# KiCad board Scopefun_v2.kicad_pcb (continued)
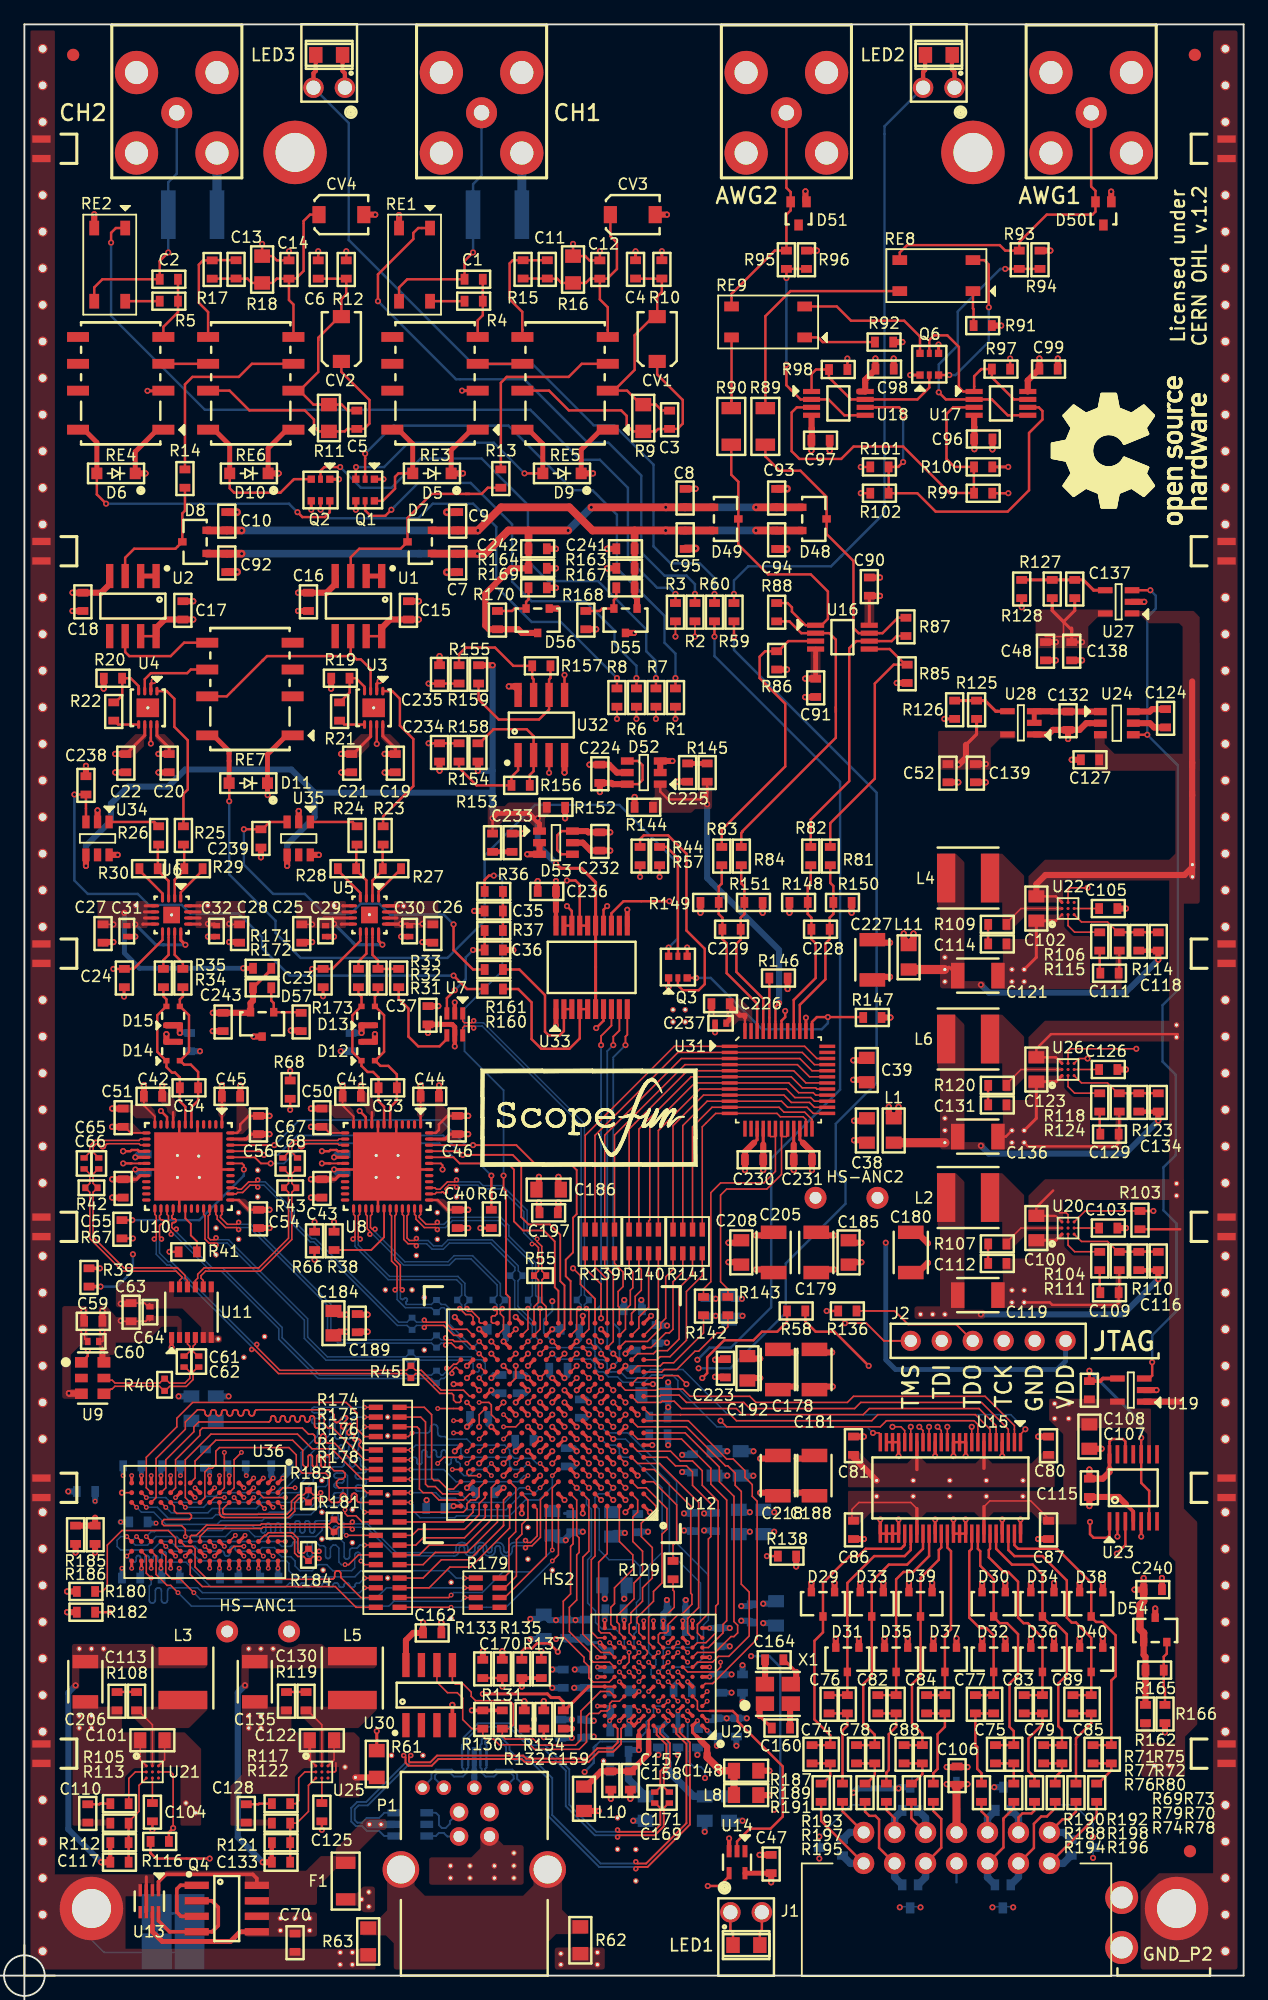
[diagram p0: board, top side]
## Routing (per net, layer and track width the routed paths; a pad name or vN(x,y) marks a point on that pad's centre or on a via; arc(x,y) is an arc through that point) (continued)
Net-(R89-Pad1): length 19.5
  Top w0.2: 60.77,128.49 60.77,136.07 62.83,138.13 RE8.4
Net-(R90-Pad1): length 5.9
  Top w0.2: 57.98,128.49 57.98,129.13 58,129.16 RE9.4
Net-(R91-Pad2): length 2.9
  Top w0.2: RE8.1 77.8,136.7 77.85,136.65 R91.2
Net-(R92-Pad1): length 5.9
  Top w0.2: RE9.1 65.1,134.33 65.48,133.95 R92.1
Net-(R156-Pad1): length 8.1
  Top w0.2: U32.1 40.49,98.84 39.95,98.3 R156.1 37.08,97.6 35.65,99.03 R158.2
Net-(R157-Pad1): length 10.2
  Top w0.2: U32.7 41.77,106.29 41.65,106.4 R157.1 40.1,107.4 38.6,108.9 36.2,108.9 35.65,108.35 R159.2
Net-(RE3-Pad3): length 3.7
  Top w0.2: RE3.3 RE5.6
Net-(RE4-Pad3): length 3.7
  Top w0.2: RE4.3 RE6.6
Net-(U1-+IN): length 17.8
  Top w0.127: 39.08,121.99 38.97,121.99
  Top w0.2: 36.2,121.5 33.4,121.5 31.42,119.52 D7.3 30.86,117 27.47,117 26.77,116.3 26.77,114.77 ; 36.2,121.5 37.5,121.5 38.01,122.01 R13.2 ; 36.2,121.5 36.5,121.5
Net-(U1--IN): length 1.3
  Top w0.4: 28.03,114.77 29.3,114.77
Net-(U2-+IN): length 11.3
  Top w0.2: R14.2 13.17,120.12 12.95,119.9 D8.3 12.38,117 9,117 8.27,116.27 8.27,114.77
Net-(U2--IN): length 1.3
  Top w0.4: 9.54,114.77 10.8,114.77
Net-(U3-INPN): length 4.2
  Top w0.127: 25.85,104.42 25.88,104.42
  Top w0.2: U3.4 27.9,105.69 27.2,106.39 26.68,106.39 26.68,105.22 25.88,104.42
Net-(U3-PRAO): length 2.2
  Top w0.127: 25.85,102.89 25.91,102.89 26.22,102.59
  Top w0.2: 26.22,102.59 U3.5
Net-(U3-VOUT): length 13.7
  Top w0.127: 29.42,94.26 29.51,94.26
  Top w0.2: 29.45,94.25 R23.2 29.42,95.06 31.9,97.54 31.9,101.4 30.8,102.5 30.8,104.7 30.17,105.33 U3.1
Net-(U4-INPN): length 4.4
  Top w0.127: 7.33,104.42 7.48,104.42
  Top w0.2: 7.48,104.42 8.03,104.97 8.03,106.39 8.72,106.39 9.37,105.73 U4.4
Net-(U4-INPP): length 6.4
  Top w0.2: U4.3 9.87,106.3 10.37,106.8 13.35,106.8 13.65,107.1 RE7.6
Net-(U4-PRAO): length 2.2
  Top w0.127: 7.33,102.89 7.39,102.89
  Top w0.2: U4.5 7.69,102.59 7.39,102.89
Net-(U4-VOUT): length 12.9
  Top w0.2: 13.15,94.25 R25.2 13.04,96.9 13.4,97.26 13.4,101.3 12.3,102.4 12.3,104.7 11.67,105.33 U4.1
Net-(U5-+FB): length 3.2
  Top w0.127: 25.7,90.64 25.7,90.77
  Top w0.2: U5.4 27.55,88.78 25.7,90.64
Net-(U5-+IN): length 4.7
  Top w0.127: 29.38,90.77 29.38,90.64 ; 29.38,92.69 29.42,92.73
  Top w0.2: 29.38,90.64 28.55,89.81 U5.2 ; 29.38,90.77 29.38,92.69
Net-(U5-+OUT): length 3.3
  Top w0.2: R33.2 27.4,83.15 28.05,83.8 U5.10
Net-(U5--FB): length 3.2
  Top w0.2: U5.1 29.05,88.91 30.91,90.77
Net-(U5--IN): length 4.8
  Top w0.127: 27.22,92.67 27.29,92.73 ; 27.22,90.64 27.22,90.77
  Top w0.2: U5.3 28.05,89.81 27.22,90.64 ; 27.22,90.77 27.22,92.67
Net-(U5--OUT): length 4.9
  Top w0.2: R31.2 R32.2 29,83.25 28.55,83.7 U5.11
Net-(U6-+FB): length 3.2
  Top w0.127: 9.42,90.64 9.42,90.77
  Top w0.2: 9.42,90.64 11.33,88.73 U6.4
Net-(U6-+IN): length 4.7
  Top w0.127: 13.11,92.67 13.04,92.73 ; 13.11,90.64 13.11,90.77
  Top w0.2: U6.2 12.33,89.86 13.11,90.64 ; 13.11,90.77 13.11,92.67
Net-(U6-+OUT): length 3.2
  Top w0.2: R35.2 11.4,83.27 11.83,83.7 U6.10
Net-(U6--FB): length 3.2
  Top w0.127: 14.63,90.77 14.63,90.64
  Top w0.2: 14.63,90.64 12.83,88.84 U6.1
Net-(U6--IN): length 4.8
  Top w0.127: 10.95,90.64 10.95,90.77 ; 10.95,92.67 11.01,92.73
  Top w0.2: U6.3 11.83,89.77 11.81,89.77 10.95,90.64 ; 10.95,90.77 10.95,92.67
Net-(U6--OUT): length 3.3
  Top w0.2: U6.11 12.33,83.7 13,83.03 R34.2
Net-(U7-+): length 8.9
  Top w0.127: 34.65,79.2 U7.3
  Top w0.2: R37.1 37.75,84.1 C36.1 v1(36.8,84.1) ; v1(35.3,80.8) 34.65,80.15 U7.3
  Bottom w0.2: v1(36.8,84.1) 36.2,83.5 36.2,81.7 v1(35.3,80.8)
Net-(U12C-TDO_0): length 28.3
  Top w0.127: U12.N8 v1(44.3,51)
  Top w0.2: R136.2 v1(65.8,54.5)
  In2.Cu w0.127: v1(65.8,54.5) 64.1,56.2 54.9,56.2 54.7,56 48.9,56 48.6,55.7 45.1,55.7 44.3,54.9 v1(44.3,51)
Net-(U16A-+): length 23.7
  Top w0.127: 61.83,108.6 R86.2
  Top w0.2: U16.3 62.66,109.43 61.83,108.6 ; R83.1 57.2,93.95 62.4,99.15 62.4,104.3 60.3,106.4 60.3,108.15 60.75,108.6 R86.2
Net-(U16A--): length 26.2
  Top w0.127: 58.93,92.56 58.8,92.56
  Top w0.2: R88.1 62.75,111.05 63.72,110.08 U16.2 66.02,110.08 66.55,109.55 66.55,104 ; R84.1 58.8,93.7 58.9,93.8 58.9,93.85 66.55,101.5 66.55,104 ; 66.55,104 66.55,103.6
Net-(U16B-+): length 21.8
  Top w0.127: R85.2 72.25,107.5
  Top w0.2: U16.5 70.97,108.78 72.25,107.5 ; R81.1 66.1,94.5 69.75,98.15 69.75,105.95 71.3,107.5 R85.2
Net-(U16B--): length 22.7
  Top w0.2: R82.1 64.5,94.8 67.65,97.95 67.65,108.85 68.23,109.43 U16.6 71.13,109.43 71.55,109.85 R87.1
Net-(U17A--): length 23.5
  Top w0.2: v1(75,129.83) 75.58,129.25 U17.2 79.35,129.25 80.65,127.95 U17.5 ; R94.1 R93.2 v1(80.45,139.95)
  Bottom w0.2: v1(75,129.83) 75,132.12 76.55,133.67 76.55,136.45 80.05,139.95 v1(80.45,139.95)
Net-(U18A--): length 18.8
  Top w0.2: 62.91,130 62.8,130.11 ; 62.91,130 62.5,130.41 v1(62.5,132.1) ; 62.91,130 63.66,129.25 U18.2 65.95,129.25 67.25,127.95 U18.5 ; R96.1 R95.2 v1(62.5,139.2)
  Bottom w0.2: v1(62.5,139.2) v1(62.5,132.1)
Net-(U19-ADJ): length 18.6
  Top w0.127: 92.25,36.65 U23.6
  Top w0.2: v1(91.6,44.1) U23.10 91.6,40.4 92.25,39.75 U23.6
  Top w0.25: v1(87.35,49.6) C108.2
  Top w0.3: C108.2 88.25,48.75 88.46,48.96 U19.4 90,48.96
  Bottom w0.25: v1(87.35,49.6) 91.6,45.35 v1(91.6,44.1)
Net-(U20-COMP): length 3.7
  Top w0.127: U20.B1 85.6,59.9 86.14,59.36 88.2,59.36
Net-(U20-FB): length 7.5
  Top w0.127: 89.8,59.36 89.67,59.36 88.83,60.2 86.7,60.2 U20.C1
  Top w0.2: 93,59.36 89.8,59.36
Net-(U20-SS/REFIN): length 2
  Top w0.127: 88.14,61.3 U20.C2
Net-(U21-COMP): length 3.7
  Top w0.127: 8.56,14.1 8.56,16.16 9.1,16.7 U21.B1
Net-(U21-FB): length 10.7
  Top w0.127: 8.56,9.3 8.56,12.63 9.4,13.47 9.4,15.6 U21.C1
  Top w0.2: C117.2 R113.1
Net-(U21-SS/REFIN): length 2
  Top w0.127: 10.5,14.16 U21.C2
Net-(U22-COMP): length 3.7
  Top w0.127: U22.B1 85.6,86.1 86.14,85.56 88.2,85.56
Net-(U22-FB): length 7.5
  Top w0.127: U22.C1 86.7,86.4 88.83,86.4 89.67,85.56 89.8,85.56
  Top w0.2: 89.8,85.56 93,85.56
Net-(U22-SS/REFIN): length 2
  Top w0.127: 88.14,87.5 U22.C2
Net-(U24-C+): length 2.8
  Top w0.5: 92.31,102.7 92.66,102.35 C124.2 ; U24.5 92.3,102.7
Net-(U24-C-): length 2.7
  Top w0.5: C124.1 92.5,103.85 92.3,103.65 U24.6
Net-(U25-COMP): length 4.3
  Top w0.127: U25.B1 23,16.7 22.5,16.2 22.5,14.35 22.49,14.35 22.24,14.1 R117.2
Net-(U25-FB): length 8.4
  Top w0.127: 21.81,11.93 21.81,12.63 ; R122.1 22.34,12.5 23.3,13.47 23.3,15.6 U25.C1
  Top w0.2: 21.8,11.28 R122.1 ; R121.2 C133.2
Net-(U25-SS/REFIN): length 2
  Top w0.127: 24.4,14.16 U25.C2
Net-(U26-COMP): length 3.7
  Top w0.127: 88.2,72.36 86.14,72.36 85.6,72.9 U26.B1
Net-(U26-FB): length 7.5
  Top w0.127: 89.8,72.36 89.67,72.36 88.83,73.2 86.7,73.2 U26.C1
  Top w0.2: 93,72.36 89.8,72.36
Net-(U26-SS/REFIN): length 2
  Top w0.127: 88.14,74.3 U26.C2
Net-(U27-ADJ): length 7.2
  Top w0.25: U27.4 87.7,113.6 86.85,114.45 C137.2 R127.2 R128.1
Net-(U28-FB): length 4.7
  Top w0.25: U28.4 79.67,103.68 78.79,104.55 R125.2 R126.1
Net-(U29A-PCLK): length 7.4
  Top w0.127: U29.J6 51.2,27.3 51.2,29.4 51.4,29.6 52.7,29.6 53.3,30.2 53.3,31.5 53.2,31.6 R129.2
Net-(U29C-I2C_SCL): length 24
  Top w0.127: 37.73,20.25 R130.2 37.6,19.65 37.85,19.4 38.48,19.4 38.95,18.93 41.47,18.93 41.85,18.55 45.5,18.55 46.1,19.15 46.1,21.25 46.35,21.5 47.1,21.5 47.3,21.7 47.8,21.7 48,21.9 48,22.3 48.2,22.5 48.8,22.5 U29.D9 ; 37.8,20.25 36.7,20.25 35.95,21 35.95,22.75 35.5,23.2 34.7,23.2 33.84,24.06 U30.6
Net-(U29C-I2C_SDA): length 23.5
  Top w0.127: U29.D10 48,23.3 47.25,23.3 45.65,21.7 45.65,19.35 45.2,18.9 42.25,18.9 41.75,19.4 39.45,19.4 39.2,19.65 R131.2 39.8,20.25 40.1,20.55 40.1,22.25 39.8,22.55 37,22.55 36.65,22.9 36.65,23.25 36,23.9 35.35,23.9 35.1,24.15 35.1,25.47
Net-(U29C-R_USB2): length 11.3
  Top w0.127: U29.C8 v2(50.4,21.7)
  Top w0.2: R134.1 v1(42.6,19.55)
  In2.Cu w0.127: v1(42.6,19.55) 43.35,18.8 45.5,18.8 45.8,19.1 45.8,19.7 46.3,20.2 49.6,20.2 50,20.6 50,21.3 v2(50.4,21.7)
Net-(U29C-R_USB3): length 25.2
  Top w0.127: U29.B3 v2(54.4,20.9)
  Top w0.2: v1(41.8,21) 41.8,20.41 41.64,20.25 R132.1
  In2.Cu w0.15: v1(41.8,21) 41.8,19.35 42.9,18.25 45.7,18.25 46.35,18.9 48.3,18.9 51,16.2 v1(55.82,16.2)
  Bottom w0.15: v1(55.82,16.2) 55.82,16.78 55.48,17.12 54.9,17.12 54.4,17.62 v2(54.4,20.9)
Net-(U29C-RESET#): length 25.6
  Top w0.127: U29.C5 v2(52.8,22.5)
  Top w0.2: C170.1 R133.2 ; C170.1 39.1,24.4 ; C170.1 v1(39.2,23.7)
  In2.Cu w0.2: 40.35,19.3 41.85,17.8 ; 40.35,19.3 40.2,19.45 ; 40.35,19.3 39.2,20.45 v1(39.2,23.7) ; 41.85,17.8 41.95,17.7 ; 41.85,17.8 42.95,16.7 v1(45.95,16.7)
  Bottom w0.127: 51,20.2 51,20.8 51.6,21.4 51.6,21.9 51.8,22.1 U29.C5 v2(52.8,22.5)
  Bottom w0.15: 46.9,18.9 47.2,19.2 50.2,19.2 51,20 51,20.2
  Bottom w0.2: v1(45.95,16.7) 46.7,17.45 46.7,18.7 46.9,18.9
Net-(U29D-AVDD): length 7.3
  Top w0.25: U29.A7 50.4,20.1 50.4,19.7
  Top w0.45: v1(50.4,18.5) 50.4,19.7
  Bottom w0.5: C143.1 C146.1 49.65,18.5 v1(50.4,18.5)
  Bottom w0.6: L7.2 49.55,16.1 C143.1
Net-(U29D-CVDDQ): length 10.6
  Top w0.18: 51.2,20.1 51.2,20.9 U29.B6
  Top w0.35: 51.2,20.1 51.2,18.2
  Top w0.45: 51.2,19.2 51.2,18.2 49.76,16.76 ; 49.7,16.76 48.1,16.76
  Top w0.5: C158.1 47.3,16.75 46.05,15.5 L10.2
Net-(U29D-U3RXVDDQ): length 9
  Top w0.25: 55.15,19.6 54.8,19.95 U29.A2 v2(55.2,20.9)
  Top w0.35: 55.45,19.3 55.15,19.6
  Top w0.5: 55.45,19.3 56,18.75 56,18.2
  Top w0.6: L8.2 C148.1 57.1,16.8 56,17.9 56,18.2
  Bottom w0.4: C150.1 v2(55.2,20.9)
Net-(U29D-U3TXVDDQ): length 11.5
  Top w0.25: U29.B5 v2(52.8,20.9)
  Bottom w0.127: 52,20.22 52.12,20.22
  Bottom w0.2: 52.8,19.2 52.8,19.54 52.13,20.21
  Bottom w0.22: 52.8,19.2 52.8,17.9
  Bottom w0.25: 52.13,20.22 52,20.22 ; 52.13,20.21 C155.1
  Bottom w0.4: 52.12,20.22 v2(52.8,20.9) ; 52.8,17.4 52.8,17.9
  Bottom w0.6: L9.2 C152.1 54.9,14.7 52.8,16.8 52.8,17.4
Net-(U29D-VBATT): length 24.5
  Top w0.15: U29.E10 U29.E11
  Top w0.2: U29.E11 46.38,23.7 ; 44.33,21.65 44.2,21.65
  Top w0.25: 46.38,23.7 46.28,23.7 44.33,21.75 C159.1 ; 44.1,21.75 C159.1 ; C159.1 44.2,22.45 43.85,22.8 43.2,22.8 42.9,23.1 v1(37.6,23.1) ; 44.07,21.65 44.2,21.65 ; v1(28.9,20.05) R61.1
  In2.Cu w0.25: v1(28.9,20.05) 31.95,23.1 v1(37.6,23.1)
Net-(U31-BIASJ_A): length 4.2
  Top w0.2: 61.1,77.6 R146.2
Net-(U31-CLKA/CLKIQ): length 19.4
  Top w0.127: 61.6,68.8 61.2,68.8 61.1,68.9 U31.17 ; 61.6,68.8 61.6,65.95 60.65,65 57.1,65 56.3,64.2 56.3,56.9 55.7,56.3 R142.1 ; 61.6,68.8 U31.18
Net-(U31-CLKB/RESETIQ): length 19.1
  Top w0.127: U31.20 62.6,68.9 62.5,68.8 62.1,68.8 ; 62.1,68.8 U31.19 ; 62.1,68.8 62.1,65.7 60.9,64.5 57.6,64.5 57.1,64 57.1,56.9 57.7,56.3 R143.1
Net-(U32A--): length 9.4
  Top w0.2: R156.2 41.45,98.45 41.77,98.77 U32.2 41.77,101.64 41.2,102.2 38.48,102.2 37.33,101.05 R154.1
Net-(U32B--): length 11.7
  Top w0.2: R157.2 43.15,106.4 43.03,106.29 U32.6 43.03,103.83 42.21,103 38.9,103 37.25,104.65 R155.1
Net-(U34-IN+): length 48.1
  Top w0.2: U34.3 C238.1 v1(4.1,96.85) ; R160.1 36.3,80.9 v1(35.2,82)
  Bottom w0.2: v1(4.1,96.85) 4.1,89.8 5.2,88.7 9.3,88.7 10.2,87.8 12.9,87.8 13.6,87.1 17.55,87.1 19.5,85.15 19.5,84.25 21.75,82 v1(35.2,82)
Net-(U35-IN+): length 31.9
  Top w0.2: U35.3 20.13,94.6 19.53,94 C239.1 v1(18,94) ; v1(35.2,86.2) 35.2,84.1 36.8,82.5 R161.1
  Bottom w0.2: v1(35.2,86.2) 34.4,87 30,87 29.1,87.9 27.6,87.9 26.8,87.1 24.6,87.1 23,88.7 20.4,88.7 18,91.1 v1(18,94)
Net-(U36A-ZQ): length 12.2
  Top w0.127: U36.L8 12.4,35.2 12.4,35.9 11.8,36.5 8,36.5 6.8,35.3 6.8,31.9 6.4,31.5 R180.1

## Copper pours and planes (outline as drawn; the poured copper is in the pictures)
1.8V_REF on Top: 38,95.9 38,93.4 38.8,93.4 38.8,94.2 39.2,94.6 41.4,94.6 41.8,94.2 41.8,93.6 42.7,93.6 42.7,94.9 43.1,95.3 43.1,96.2 39.7,96.2 39.4,95.9
1.25V_REF on Top: 56.4,95.65 56.4,98.15 55.6,98.15 55.6,97.35 55.25,97 52.95,97 52.6,97.35 52.6,97.95 51.7,97.95 51.7,96.7 51.3,96.3 51.3,95.35 54.7,95.35 55,95.65
+1.48V on Bottom: 28,77 28,81.4 12.41,81.4 12.4,77 14.4,77 15.1,76.3 15.1,75.25 25.25,75.25 25.25,76.3 25.95,77
+1V0 on Top: 77.1,65.1 76.4,65.8 74.9,65.8 74.9,61.5 75.1,61.3 75.1,54.88 73,54.88 73,53.85 78.8,53.85 78.8,54.6 77.1,54.6
+1V0 on In3.Cu: 82.4,42.1 82.4,48.4 86.1,48.4 86.1,54.6 63.7,54.6 63.7,49.4 56.2,49.4 56.2,49.1 48.7,49.1 48.7,47.8 46.2,47.8 45.8,47.4 44.8,47.4 44.6,47.6 44,47.6 44,49 43.6,49.4 42.9,49.4 42.9,48.2 42.7,48 42.7,46.7 42.9,46.5 42.9,46 43.2,45.7 43.6,45.7 44.3,45 44.3,43.6 39.8,43.6 39.8,42.1
+1V2 on Top: 28.7,25.2 28.9,25.4 28.9,26.9 24.7,26.9 24.4,27.2 17.8,27.2 17.8,23.5 18.4,23.5 18.4,25.2
+1V2 on Bottom: 47.5,27.9 47.5,26.9 48.3,26.9 48.3,26.3 47.45,26.3 47.45,26.5 46.5,26.5 46.5,24.7 47.2,24.7 47.2,24.35 49,24.35 49,23.9 48.35,23.9 48.35,19.65 47.8,19.65 47.8,20.5 46.7,21.6 35,21.6 34.1,20.7 20.5,20.7 20.5,25.6 17.8,25.6 17.8,27.4 40.4,27.4 40.9,27.9
+1V2 on In3.Cu: 41.1,28.5 50,28.5 50,31.2 58.2,31.2 58.2,25.6 55.6,25.6 55.6,28.2 52.3,28.2 51.75,27.65 50.45,27.65 50.45,22.1 54.35,22.1 54.35,19.8 63.9,19.8 63.9,12.25 48.95,12.25 48.95,15.7 43.65,15.7 43.65,16.6 17.45,16.6 17.45,26.45 18.4,27.4 27.5,27.4 27.5,20.3 47.1,20.3 47.6,20.8 47.6,22.8 46.6,22.8 46.6,24.8 47.6,24.8 47.6,26.7 41.1,26.7
+1V5 on Top: 14.8,25.2 15,25.4 15,26.9 10.8,26.9 10.5,27.2 3.9,27.2 3.9,23.5 4.5,23.5 4.5,25.2
+1V5 on Bottom: 48.9,48.3 51.1,48.3 51.2,48.2 51.2,46.9 51.8,46.3 51.8,43.2 51.3,43.2 49.2,45.3 47.3,45.3 47,45 47,42.8 47.2,42.6 48.1,42.6 49.1,41.6 49.7,41.6 50.9,40.4 50.9,37.3 47.6,37.3 47.6,38.6 48.3,38.6 48.7,39 48.7,40.4 44.8,40.4 44.8,39.8 45.7,38.9 45.7,38.5 46.1,38.1 46.1,37.3 42.48,37.3 42.15,36.96 42.15,36.2 40.8,36.2 40.7,36.3 30.3,36.3 28.8,37.8 28.8,47 23.5,47 22,45.5 22,41.2 21.3,40.5 21,40.5 20.5,40 16,40 15.7,39.7 9.2,39.7 7.5,38 7.5,26.3 4,26.3 4,46.5 12.6,46.5 12.6,45.8 16.8,45.8 16.8,46.5 18.05,46.5 18.05,48 41.6,48 42.2,48.6 48.6,48.6 ; 3 cut-outs
+1V5 on In3.Cu: 7.5,25 7.5,30.6 13.12,30.6 15.23,32.7 22,32.7 22,42.4 12.5,42.4 3.8,42.4 3.8,25
+1V8 on Top: 67.55,43 68.4,43 69.4,42 72.4,42 73.1,42.7 73.3,42.7 74,42 78,42 78.6,42.6 78.8,42.6 79.4,42 82.6,42 83.6,43 84.5,43 84.5,40.05 67.55,40.05
+1V8 on Top: 77.1,78 76.3,78.8 74.9,78.8 74.9,74.5 75.1,74.3 75.1,67.75 78.8,67.75 78.8,68.35 77.1,68.35
+1V8 on Top: 19.6,63.1 19.6,62.5 18.4,62.5 17.4,63.5 16.6,63.5 16.6,63.7 18.1,63.7 18.7,63.1
+1V8 on Top: 7.7,65 9.1,65 9.6,65.5 10.3,65.5 10.3,65.7 9.3,65.7 9.2,65.6 7.7,65.6
+1V8 on Top: 24,65 25.4,65 25.9,65.5 26.6,65.5 26.6,65.7 25.6,65.7 25.5,65.6 24,65.6
+1V8 on Top: 35.9,63.1 35.9,62.5 34.7,62.5 33.7,63.5 32.9,63.5 32.9,63.7 34.4,63.7 35,63.1
+1V8 on In3.Cu: 82.4,41.7 82.4,40.2 63.9,40.2 63.9,20.6 55.6,20.6 55.6,20.8 50.8,20.8 50.8,27.3 52,27.3 52.6,27.9 55.2,27.9 55.2,25.2 58.5,25.2 58.5,31.5 49.6,31.5 49.6,28.8 40.6,28.8 40.6,26.4 47.3,26.4 47.3,25.7 46.3,25.7 46.3,22.5 47.3,22.5 47.3,21 46.9,20.6 45.35,20.6 45.25,20.7 44.5,20.7 44.4,20.6 28,20.6 28,28.2 18.6,28.2 16.5,26.1 16.5,14.25 34.15,14.25 34.15,10.6 34.8,9.95 39.4,9.95 39.4,14.25 47.6,14.25 47.6,11.9 42.9,11.9 40.9,9.9 40.9,6.85 33.05,6.85 33.05,9.85 31.8,11.1 29.7,11.1 27.5,8.9 18.9,8.9 18.9,3 9.6,3 9.6,8.9 3.8,8.9 3.8,23.1 5.1,24.4 8.1,24.4 8.1,30.1 14,30.1 15.86,31.96 22.7,31.99 22.7,43.4 3.8,43.4 3.8,46.7 13.6,46.7 13.6,58.4 6.9,58.4 6.9,65.9 57.4,65.9 57.4,64.6 74.9,64.6 74.9,71.4 78,71.4 78,59.3 46,59.3 46,52.3 48.3,52.3 48.3,48.4 46.2,48.4 45.5,47.7 45,47.7 44.7,48 44.7,49.7 42.6,49.7 42.6,48.7 42.1,48.2 42.1,46.8 42.6,46.3 42.6,45.8 43,45.4 43.4,45.4 43.7,45.1 43.7,44 39.4,44 39.4,41.7
+1V8_VA on Top: 27.3,72.5 27.95,72.5 28.65,71.8 28.65,71.5 28.75,71.4 28.75,70.5 28.6,70.35 28.6,69.55 28.4,69.55 28.4,70.5 28,70.83 28,71.1 27.4,71.7 27.3,71.7
+1V8_VA on Top: 15.9,72.5 16.5,72.5 16.5,70.55 16.3,70.35 16.3,69.55 16.1,69.55 16.1,70.35 15.9,70.55
+1V8_VA on Top: 16.69,68.7 18.09,68.7 18.69,69.3 19.59,69.3 19.59,68.7 19.29,68.4 17.49,68.4 17.39,68.5 16.69,68.5
+1V8_VA on Top: 26.51,69.2 26.51,69 25.01,69 24.71,69.3 24.01,69.3 24.01,69.9 25.2,69.9 25.9,69.2
+1V8_VA on Top: 10.2,69.2 10.2,69 8.7,69 8.4,69.3 7.7,69.3 7.7,69.9 8.9,69.9 9.6,69.2
+1V8_VA on Top: 11,72.5 11.65,72.5 12.35,71.8 12.35,71.5 12.45,71.4 12.45,70.5 12.3,70.35 12.3,69.55 12.1,69.55 12.1,70.5 11.7,70.83 11.7,71.1 11.1,71.7 11,71.7
+1V8_VA on Top: 32.2,72.5 32.8,72.5 32.8,70.55 32.6,70.35 32.6,69.55 32.4,69.55 32.4,70.35 32.2,70.55
+1V8_VA on Top: 33,68.7 34.4,68.7 35,69.3 35.9,69.3 35.9,68.7 35.6,68.4 33.8,68.4 33.7,68.5 33,68.5
+1V8_VA on In3.Cu: 72.5,69.8 57.4,69.8 57.4,66.7 6.9,66.7 6.9,73.8 70.2,73.8 72.5,71.5
+3.3V_PD on In2.Cu: 66,20 66,27.8 64,29.8 64,36.9 67.15,40.05 81.25,40.05 87.6,33.7 92.4,33.7 92.4,20
+3V3 on Top: 77.1,91.3 76.4,92 74.9,92 74.9,87.7 75.1,87.5 75.1,80.95 78.8,80.95 78.8,81.55 77.1,81.55
+3V3 on Top: 6.1,54.9 6.1,49.9 7,49.9 7,50.9 7.5,50.9 7.5,54.04 6.75,54.9
+3V3 on Top: 7.2,54 7.2,51.9 9.95,51.9 11.25,53.2 12.55,53.2 12.55,51.9 12.9,51.9 12.9,53.8 12.6,54.1 10,54.1 9.9,54 9.9,53.75 9.3,53.75 9.3,54
+3V3 on Bottom: 50.35,55.7 50.35,54.15 51.45,53.05 53,53.05 53,55.7
+3V3 on In3.Cu: 48.8,52.5 48.8,49.6 55.7,49.6 55.7,49.9 62.8,49.9 62.8,55 86.9,55 86.9,19.5 76.7,9.3 60.6,9.3 60.6,7.1 81.95,7.05 90.58,15.68 90.62,91.35 47.65,91.35 44,87.7 44,82.2 41.5,79.7 3.8,79.7 3.8,49.3 10.6,49.3 10.6,55.75 5.3,55.75 5.3,75.8 49.3,75.8 49.3,86.3 50.7,87.7 75,87.7 75,72.6 79.7,72.6 79.7,58.9 46.6,58.9 46.6,52.5
+3V3_VA on Top: 57.55,80.1 58.75,80.1 59.7,79.15 59.7,76.8 59.5,76.8 59.5,78.15 59.35,78.3 58.6,78.3 58.1,77.8 57.55,77.8
+3V3_VA on Bottom: 42.9,90.2 42.9,77.2 55.25,77.2 55.25,80.15 50.5,80.15 50.5,90.2
+3V3_VA on In3.Cu: 73.1,82.9 73.1,68 58.6,68 58.6,65.5 74,65.5 74,86 52,86 52,75.9 72.55,75.9 72.55,82.9
+VCC_DIG on Top: 86.3,37 83.6,37 82.6,38 79.5,38 78.8,37.3 78.6,37.3 77.9,38 74,38 73.3,37.3 73.1,37.3 72.4,38 69.45,38 68.45,37 67.55,37 67.55,39.75 85.2,39.75 85.2,44.4 84.05,45.55 84.05,47.3 86.9,47.3 86.9,47.55 87.8,47.55 87.8,47.3 90.3,47.3 90.3,46.5 92.4,46.5 92.4,42 92.1,42 92.1,44.4 91.6,44.9 86.55,44.9 86.3,44.65
+VCC_DIG on In3.Cu: 76.93,10.8 65.7,10.8 65.7,39.7 83.83,39.7 83.83,47.6 86.1,47.6 86.1,20.03
+VCC_USB on Top: 28.75,5.2 27.8,5.2 27.25,5.75 25.55,5.75 25.55,6.75 27.25,6.75 27.8,7.3 28.75,7.3
+VCC_USB on Bottom: 37.4,13.65 37.9,14.15 40.35,14.15 41.65,12.85 41.65,10.25 41,9.6 41,7.75 41.65,7.1 41.65,0.5 30.3,0.5 30.3,2.6 27.15,5.75 27.15,6.65 27.8,7.3 29.45,7.3 30,6.75 31.8,6.75 32.9,7.85 32.9,9.45 33.5,10.05 38.45,10.05 39.25,10.85 39.25,12.05 38.6,12.7 37.95,12.7 37.4,13.25
+VCC_USB_P on Top: 24.9,17.1 24.9,19.95 27.05,19.95 27.5,19.5 27.5,14.6 25.8,14.6 25.8,17.1
+VCC_USB_P on Top: 85.2,88 82.35,88 82.35,90.15 83.7,91.5 96.4,91.5 96.4,89.8 85.2,89.8
+VCC_USB_P on Top: 11,17.1 11,19.95 13.15,19.95 14.5,18.6 14.5,12.3 12.8,12.3 12.8,17.1
+VCC_USB_P on Top: 85.2,61.8 82.35,61.8 82.35,63.95 83.7,65.3 95.1,65.3 95.1,63.6 85.2,63.6
+VCC_USB_P on Top: 91.6,20.9 92.3,20.9 92.3,19.1 94.4,19.1 94.4,33.95 93.9,34.45 93.9,91.5 94.4,92 94.4,99.75 96.4,99.75 96.4,87.9 95.1,87.9 95.1,38.3 96.2,37.2 96.2,20.6 95.2,19.6 95.2,16.3 91.6,16.3
+VCC_USB_P on Top: 85.2,74.8 82.35,74.8 82.35,76.95 83.7,78.3 95.1,78.3 95.1,76.6 85.2,76.6
+VCC_USB_P on Top: 87.8,102 88.6,102 88.6,101 89.4,100.2 95,100.2 95,110.6 94.7,110.9 92.2,110.9 91.6,111.5 90.4,111.5 90.4,111.9 95.9,111.9 96.4,111.4 96.4,98.8 87.8,98.8
+VCC_USB_P on Top: 24,3.2 18.1,3.2 18.1,3.9 20.05,3.9 20.05,4.55 18.1,4.55 18.1,5.2 24,5.2
+VCC_USB_P on Bottom: 24,9.85 25.85,11.7 25.85,15.7 27.5,15.7 27.5,17.6 22.5,17.6 21.1,16.2 21.1,9.6 20,8.5 18.8,8.5 14.5,12.8 14.5,15 12.8,15 12.8,11.2 18.5,5.5 18.5,3.1 24,3.1
+VCC_USB_P on In3.Cu: 20.5,5.2 27.55,5.2 28.1,4.65 35.95,4.65 36.5,4.1 44.2,4.1 45.2,3.1 48.3,3.1 49.8,4.6 82,4.6 91.55,14.15 91.55,91.35 96.45,91.35 96.45,0.5 20.5,0.5
/USB Port/+VCC_USB_F on Top: 18.1,5.8 18.1,6.4 20.05,6.4 20.05,7.1 18.1,7.1 18.1,8.2 11.5,8.2 11.5,8.6 23.1,8.6 24.3,9.8 25.55,9.8 25.55,10.45 27.95,12.85 29.7,12.85 29.7,11.95 29.15,11.95 27.15,9.95 27.15,8.75 25.55,8.75 24,7.2 24,5.8
GND on Top: 10,19.95 10,14.9 4.4,14.9 4.4,12.8 7.35,12.8 7.35,12.3 3.95,12.3 3.95,23 6.05,23 6.05,22.05 8,22.05 8,19.95
GND on Top: 23.9,19.95 23.9,14.9 17.4,14.9 17.4,12.8 20.55,12.8 20.55,12.3 16.9,12.3 16.9,15.55 17.85,16.5 17.85,23 19.95,23 19.95,22.05 21.9,22.05 21.9,19.95
GND on Top: 82.35,60.8 87.4,60.8 87.4,55.2 89.5,55.2 89.5,58.15 90,58.15 90,54.75 79.3,54.75 79.3,56.85 80.25,56.85 80.25,58.8 82.35,58.8
GND on Top: 82.35,73.8 87.4,73.8 87.4,68.2 89.5,68.2 89.5,71.15 90,71.15 90,67.75 79.3,67.75 79.3,69.85 80.25,69.85 80.25,71.8 82.35,71.8
GND on Top: 82.35,87 87.4,87 87.4,81.4 89.5,81.4 89.5,84.35 90,84.35 90,80.9 79.3,80.9 79.3,83.05 80.25,83.05 80.25,85 82.35,85
GND on Top: 26.4,72.5 25.85,72.5 25.85,71.55 25.7,71.4 24,71.4 24,70.8 24.95,70.8 25.45,70.3 26.8,70.3 26.9,70.2 26.9,69.55 27.1,69.55 27.1,70.65 27,70.75 27,70.95 26.4,71.55
GND on Top: 35.9,70.2 35.9,70.8 34.85,70.8 34.3,71.35 34.3,72.5 33.7,72.5 33.7,69.3 33.6,69.2 32.95,69.2 32.95,69 34.2,69 34.9,69.7 34.9,70.2
GND on Top: 19.6,70.2 19.6,70.8 18.55,70.8 18,71.35 18,72.5 17.4,72.5 17.4,69.3 17.3,69.2 16.65,69.2 16.65,69 17.9,69 18.6,69.7 18.6,70.2
GND on Top: 91.55,6.9 93.05,8.4 97.5,8.4 97.5,159.5 99.5,159.5 99.5,0.5 91.55,0.5
GND on Top: 5.2,54.9 5.2,52.25 5.35,52.25 5.35,51.72 4.62,51.72 3.8,50.9 3.8,48.1 5.15,48.1 5.15,47.3 3.1,47.3 3.1,54.9
GND on Top: 37.4,11.65 37.9,12.15 38.4,12.15 38.9,11.65 38.9,11.1 39.3,10.7 40.95,10.7 40.95,7.45 33.2,7.45 33.2,9.7 36.65,9.7 37.4,10.45
GND on Top: 10.1,72.5 9.55,72.5 9.55,71.55 9.4,71.4 7.7,71.4 7.7,70.8 8.65,70.8 9.15,70.3 10.45,70.3 10.6,70.15 10.6,69.55 10.8,69.55 10.8,70.65 10.7,70.75 10.7,70.95 10.1,71.55
GND on Top: 7.5,54.8 9.25,54.8 9.25,55.05 9.93,55.05 9.93,54.78 10,54.7 12.95,54.7 14.5,53.15 14.5,51.9 16.2,51.9 16.2,52.5 15.5,52.5 15.5,56.9 15.15,56.9 15.15,55.65 12.25,55.65 12.25,56.9 7.5,56.9
GND on Top: 43.5,2.3 43.5,0.5 47.6,0.5 47.6,2.3
GND on Top: 2.5,8.3 10.65,8.3 10.65,6.5 10.38,6.5 10.38,7.58 10.12,7.58 10.12,6.5 9.88,6.5 9.88,7.58 9.62,7.58 9.62,6.5 8.3,6.5 8.3,2.2 28.8,2.2 28.8,0.5 0.5,0.5 0.5,159.5 2.5,159.5
GND on Bottom: 27.4,0.5 0.5,0.5 0.5,159.5 2.5,159.5 2.5,8.3 7.2,8.3 8.3,7.2 8.3,2.3 27.4,2.3
GND on Bottom: 42.6,36.7 46.1,36.7 46.1,35.4 42.6,35.4
GND on Bottom: 48.3,18.8 48.3,16.4 47.5,16.4 47.2,16.7 47.2,18.5 47.5,18.8
GND on Bottom: 97.5,8.4 97.5,159.5 99.5,159.5 99.5,0.5 43.5,0.5 43.5,2.3 44.7,3.5 61.8,3.5 63.3,5 63.3,15.5 65.8,18 87.1,18 89.7,15.4 89.7,8.4
GND on Bottom: 54.6,27.85 54.6,28.9 55,28.9 55,29.3 54.6,29.3 54.6,31.1 53.95,31.1 53.95,27.85
GND on In1.Cu: -0.7,160.5 100.65,160.5 100.65,-0.53 -0.7,-0.53
GND on In4.Cu: -0.7,160.5 100.65,160.5 100.65,-0.53 -0.7,-0.53
-Va on Top: 14.04,88.12 18.1,88.12 18.1,85.9 14.04,85.9
-Va on Top: 30.31,88.12 33.95,88.12 33.95,85.9 30.31,85.9
-Va on Top: 26.4,99.9 27.4,99.9 28.3,100.8 28.3,101.3 28.52,101.53 28.52,101.8 27.6,101.8 26.4,100.6
-Va on Top: 7.9,99.9 8.9,99.9 9.8,100.8 9.8,101.3 10,101.5 10,101.8 9.1,101.8 7.9,100.6
-Va on Top: 64.5,106.1 64.5,108.9 65.3,108.9 65.3,106.1
-Va on Top: 74.94,98.89 74.94,102.07 81.29,102.07 81.29,101.43 80.02,101.43 79.26,100.67 79.26,98.89
-Va on In3.Cu: 79.5,98.85 71.5,98.85 71.5,114.2 70.5,115.2 68,115.2 67,114.21 67,100 47.9,100 45.55,97.65 45.55,91.95 41.8,88.2 41.8,83.9 39.7,81.8 3.8,81.8 3.8,115.9 9.5,115.9 9.5,99.5 6.5,96.5 6.5,85.5 14.1,85.5 14.1,93.8 14.8,94.5 20.5,94.5 21,95 21,115.9 26.5,115.9 26.5,104 27.5,103 27.5,99 22.8,94.3 22.8,85.5 30.3,85.5 30.3,93.8 31,94.5 36.6,94.5 40.4,98.3 40.4,115.9 44.5,115.9 44.5,114.35 51.5,114.35 51.5,124.3 55.2,128 79.5,128
/DDR3 SDRAM/VFREF on In3.Cu: 15.55,41.3 15.55,40.85 15.1,40.4 15.1,38.5 12.65,36.05 12.65,34.15 12.15,34.15 12.15,35.25 10.7,36.7 4.6,36.7 4.6,39.4 6.9,39.4 6.9,38.4 14,38.4 14.6,39 14.6,41.3
/POWER SUPPLY/A2_L_1V0 on Top: 85,61.5 82,61.5 82,64 80.2,65.8 78.5,65.8 78.5,61.8 80.2,61.8 80.2,59.5 80.9,59.5 82,60.6 82,61.1 85,61.1 85.2,61.25 85.2,61.35
/POWER SUPPLY/A2_L_1V2 on Top: 24.6,17.3 24.6,20.3 27.4,20.3 28.9,21.8 28.9,23.3 24.9,23.3 24.9,22.05 22.65,22.05 22.65,21.35 23.7,20.3 24.2,20.3 24.2,17.3 24.35,17.1 24.45,17.1
/POWER SUPPLY/A2_L_1V5 on Top: 10.7,17.3 10.7,20.3 13.5,20.3 15,21.8 15,23.3 11,23.3 11,22.05 8.75,22.05 8.75,21.35 9.8,20.3 10.3,20.3 10.3,17.3 10.45,17.1 10.55,17.1
/POWER SUPPLY/A2_L_1V8 on Top: 85,74.5 82,74.5 82,77 80.2,78.8 78.5,78.8 78.5,74.8 80.2,74.8 80.2,72.5 80.9,72.5 82,73.6 82,74.1 85,74.1 85.2,74.25 85.2,74.35
/POWER SUPPLY/A2_L_3V3 on Top: 85,87.7 82,87.7 82,90.2 80.2,92 78.5,92 78.5,88 80.2,88 80.2,85.7 80.9,85.7 82,86.8 82,87.3 85,87.3 85.2,87.45 85.2,87.55
/USB Port/SHLD on Top: 32,7.4 32.85,6.55 40.9,6.55 41.75,7.4 41.75,9.6 44.1,9.6 44.1,5.4 45,4.5 46.2,4.5 46.2,3.4 43.6,3.4 42.9,2.7 42.9,0.5 30.3,0.5 30.3,2.65 29.65,3.3 27.6,3.3 27.6,4.3 27.75,4.45 28.85,4.45 29.75,5.35 29.75,9.6 32,9.6
/USB Port/SHLD on Bottom: 33.45,12.65 33.45,12.15 32.3,12.15 32.2,12.05 32.2,10.9 32.45,10.65 32.45,8.05 31.55,7.15 30.2,7.15 29.3,8.05 29.3,9.75 30.2,10.65 30.9,10.65 31.15,10.9 31.15,14.05 32.2,14.05 32.2,12.75 32.3,12.65
Va on Top: 82.94,108.85 82.94,112.03 89.29,112.03 89.29,111.39 88.02,111.39 87.26,110.63 87.26,108.85
Va on Top: 30,99.9 30,100.7 29.27,101.43 29.27,101.8 30,101.8 30.8,101 30.8,99.9
Va on Top: 11.5,99.9 11.5,100.7 10.75,101.45 10.75,101.8 11.5,101.8 12.3,101 12.3,99.9
Va on Top: 26.37,88.12 22.3,88.12 22.3,85.9 26.37,85.9
Va on Top: 6,88.12 10.1,88.12 10.1,85.9 6,85.9
Va on Top: 68.9,113.4 68.9,110.6 69.7,110.6 69.7,113.4
Va on In3.Cu: 3.8,155.5 96.2,155.5 96.2,94.55 48.45,94.55 48.45,93.2 40.4,93.2 40.4,85.9 3.8,85.9

## Text on the board
F.Silkscreen: Licensed under / CERN OHL v.1.2 | TMS | TDI | TDO | TCK | GND | VDD | JTAG
